# Altium PCB extio.PcbDoc (part 1 of 2)
Units mil, origin at the board's own origin, x right, y up, seen from the top; angles counter-clockwise.
Board outline 5039.37 x 4527.56 mil, 2 copper layers (Top Layer, Bottom Layer); 248 components, 157 nets, 670 pads, 315 vias.
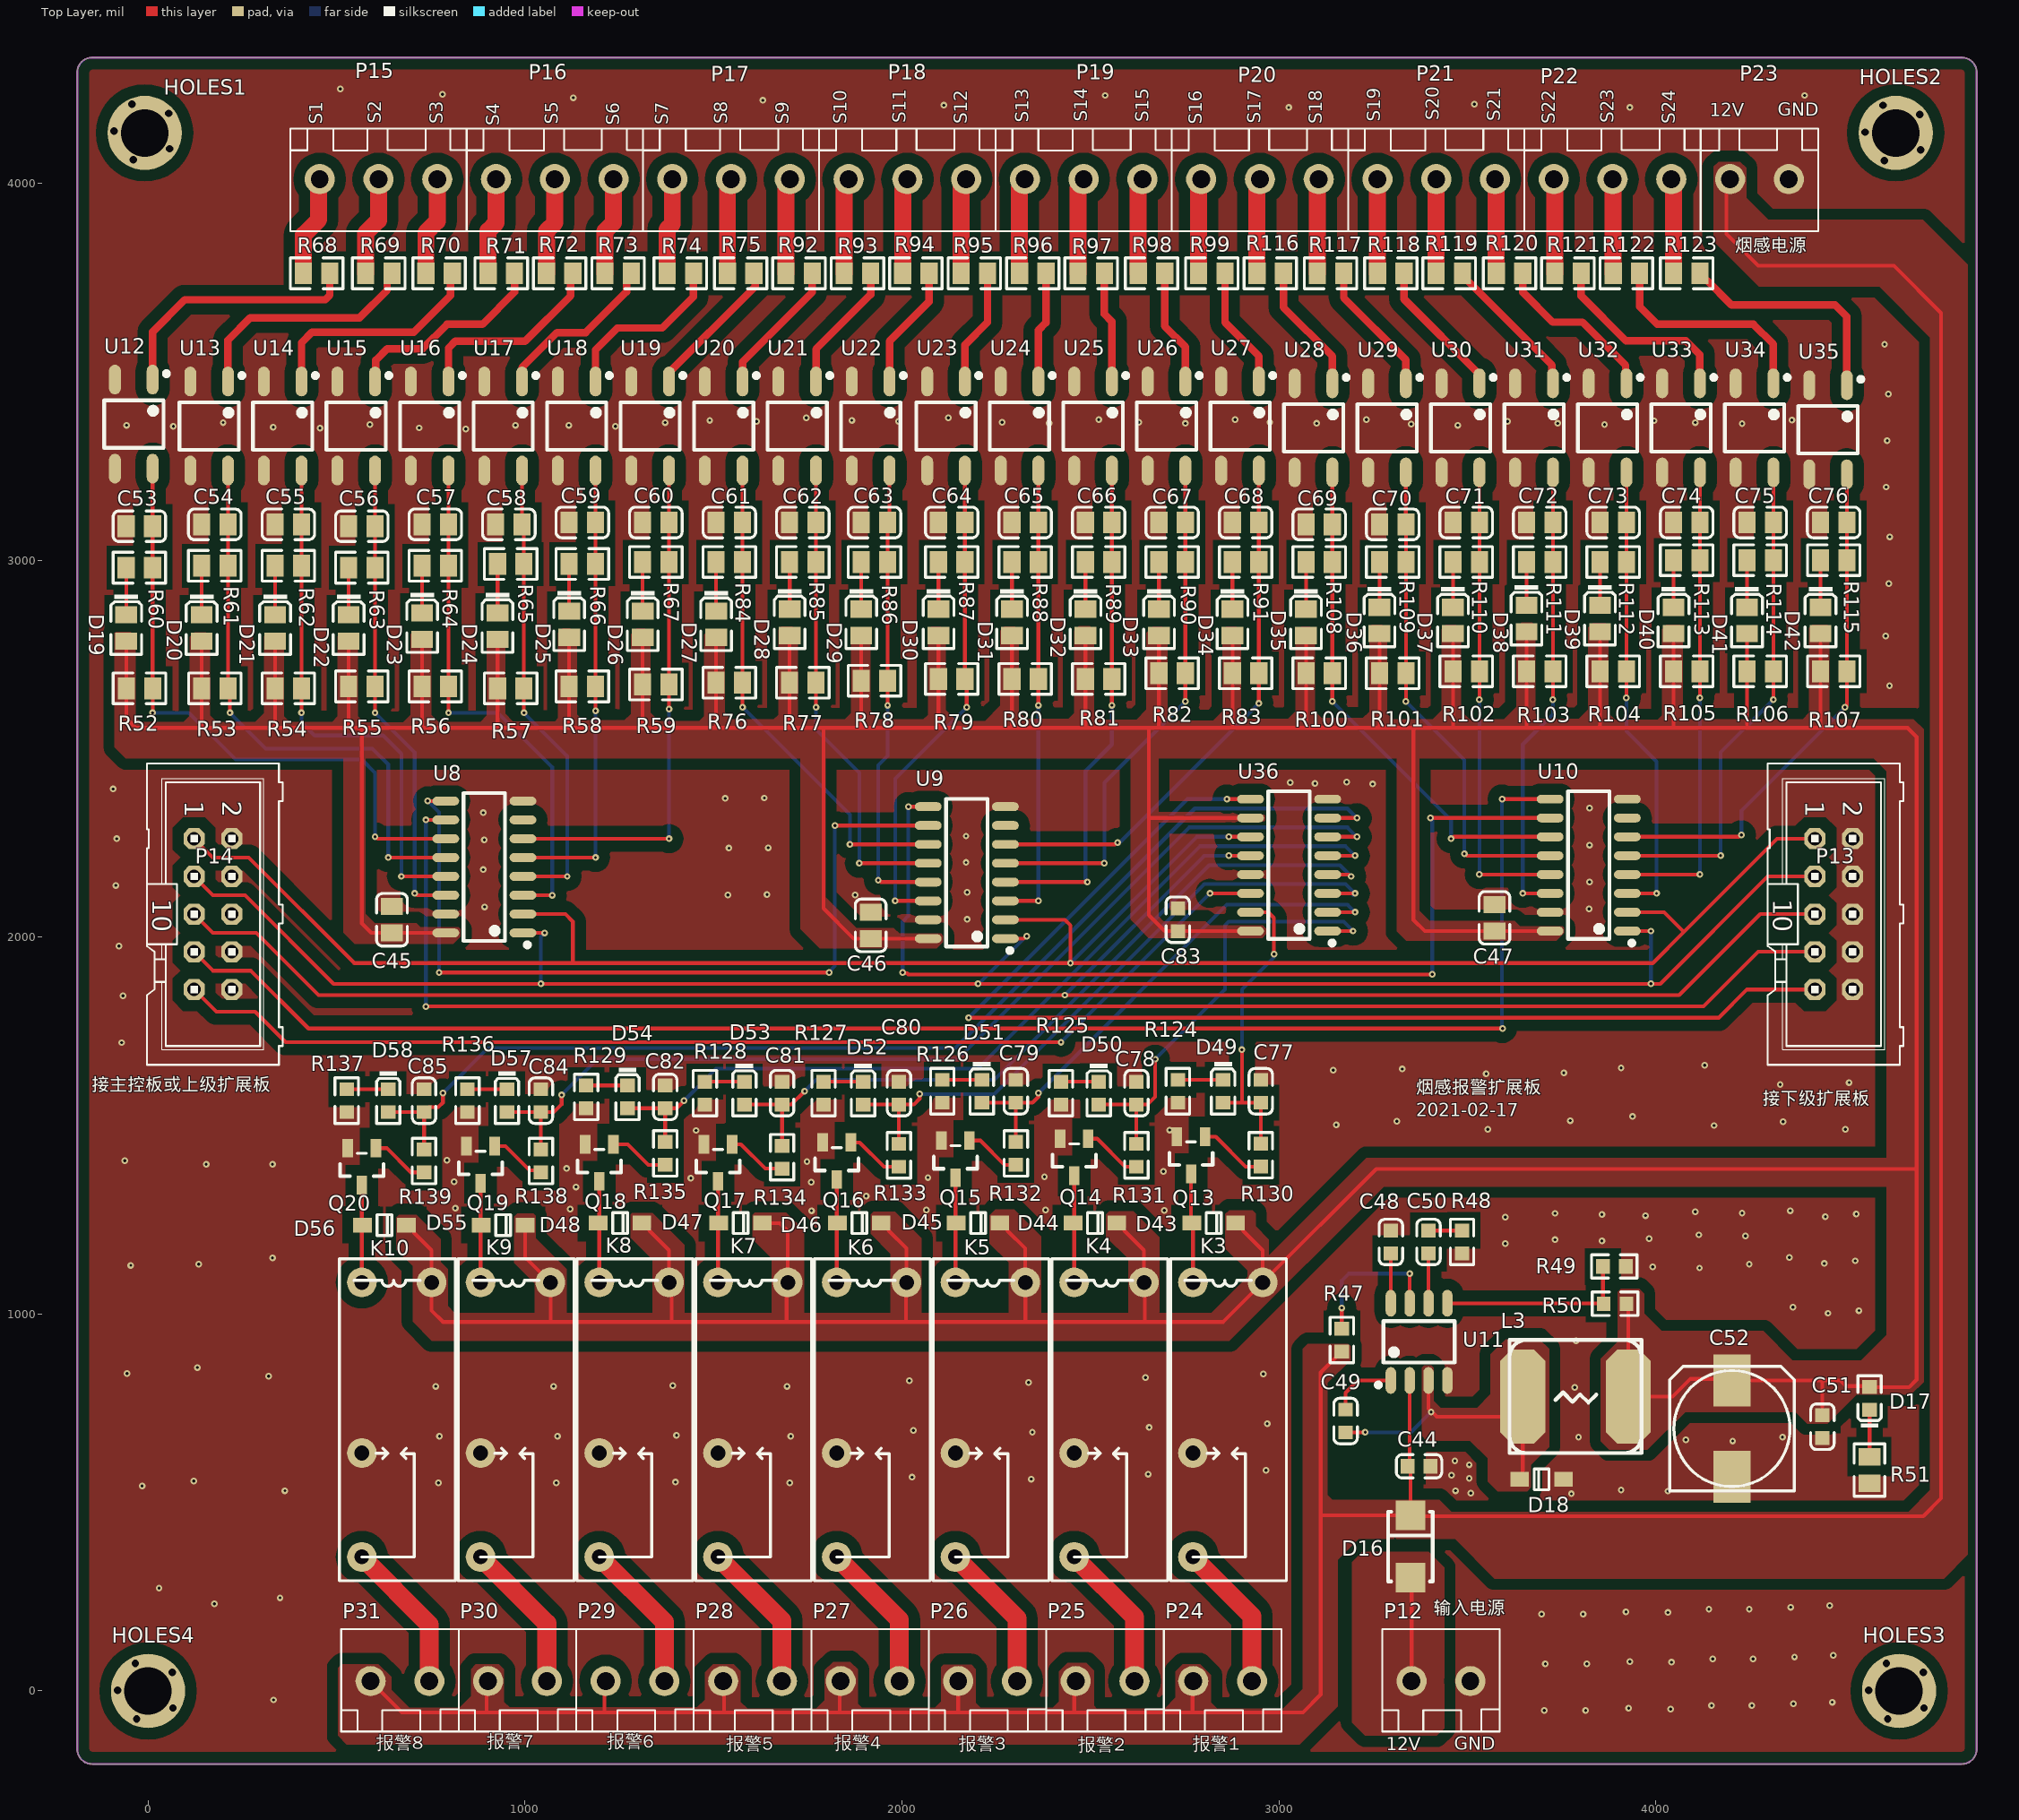
[diagram p0: Top Layer view]
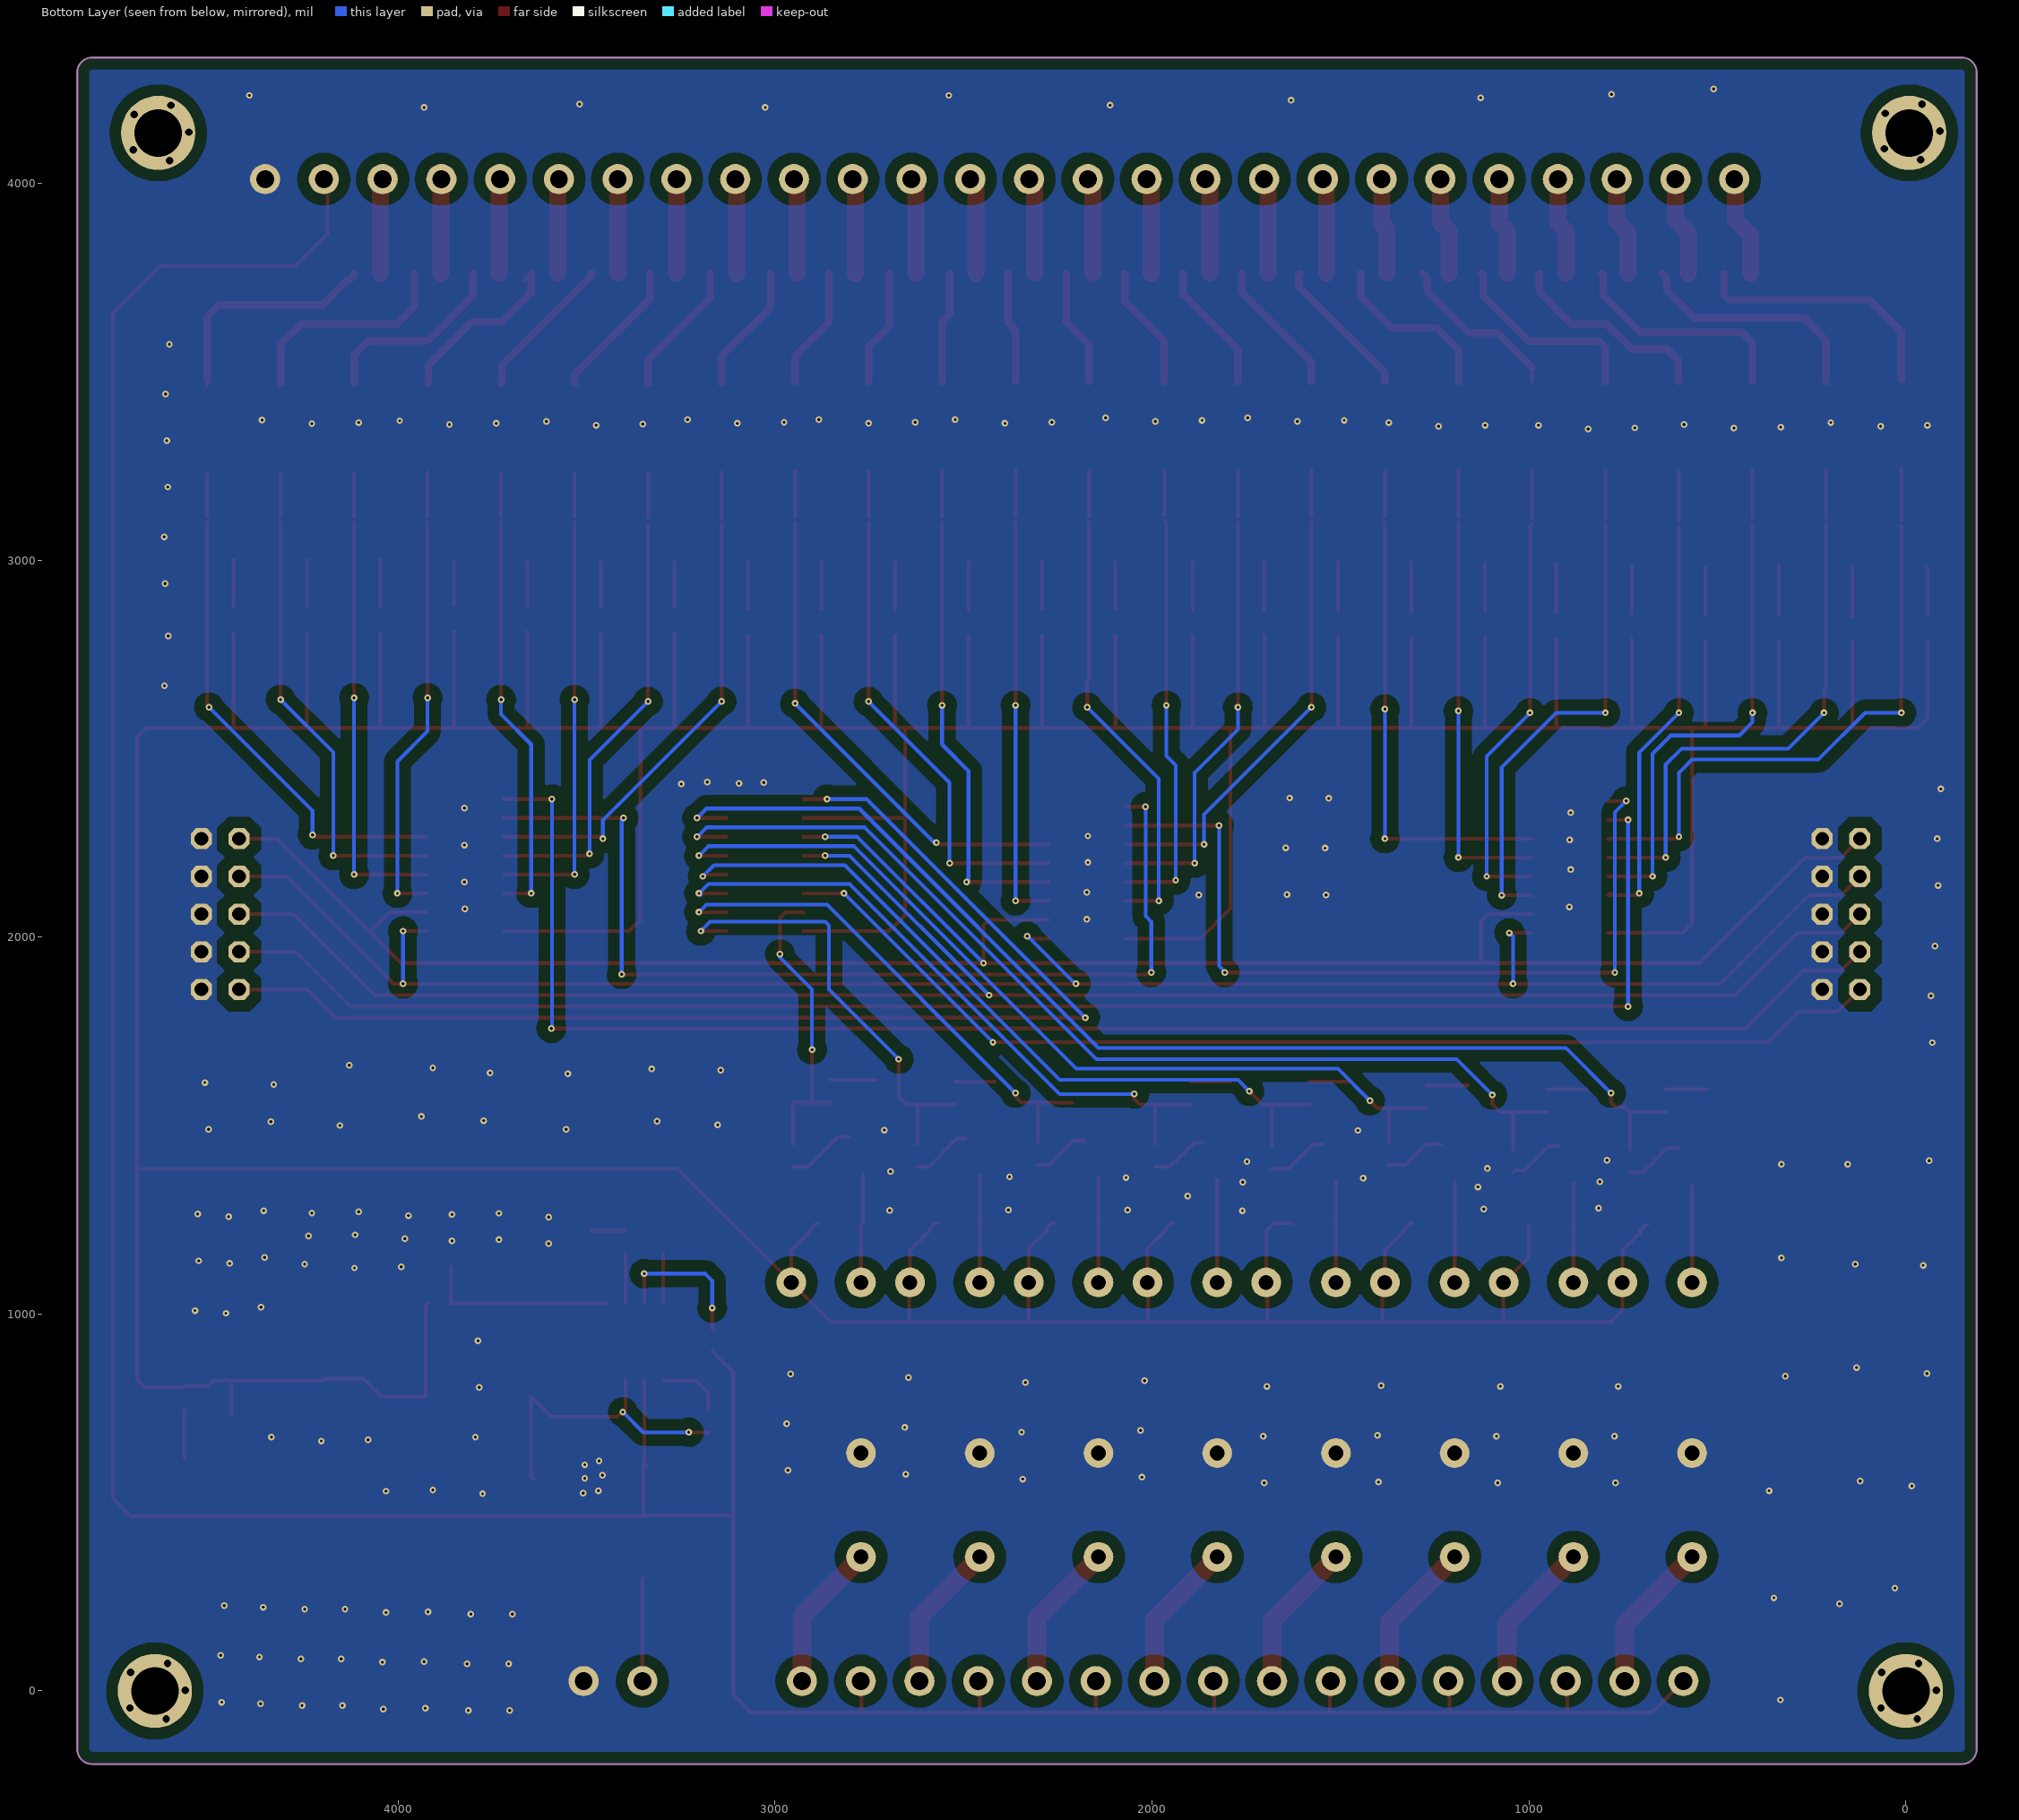
[diagram p1: Bottom Layer view, seen from below]
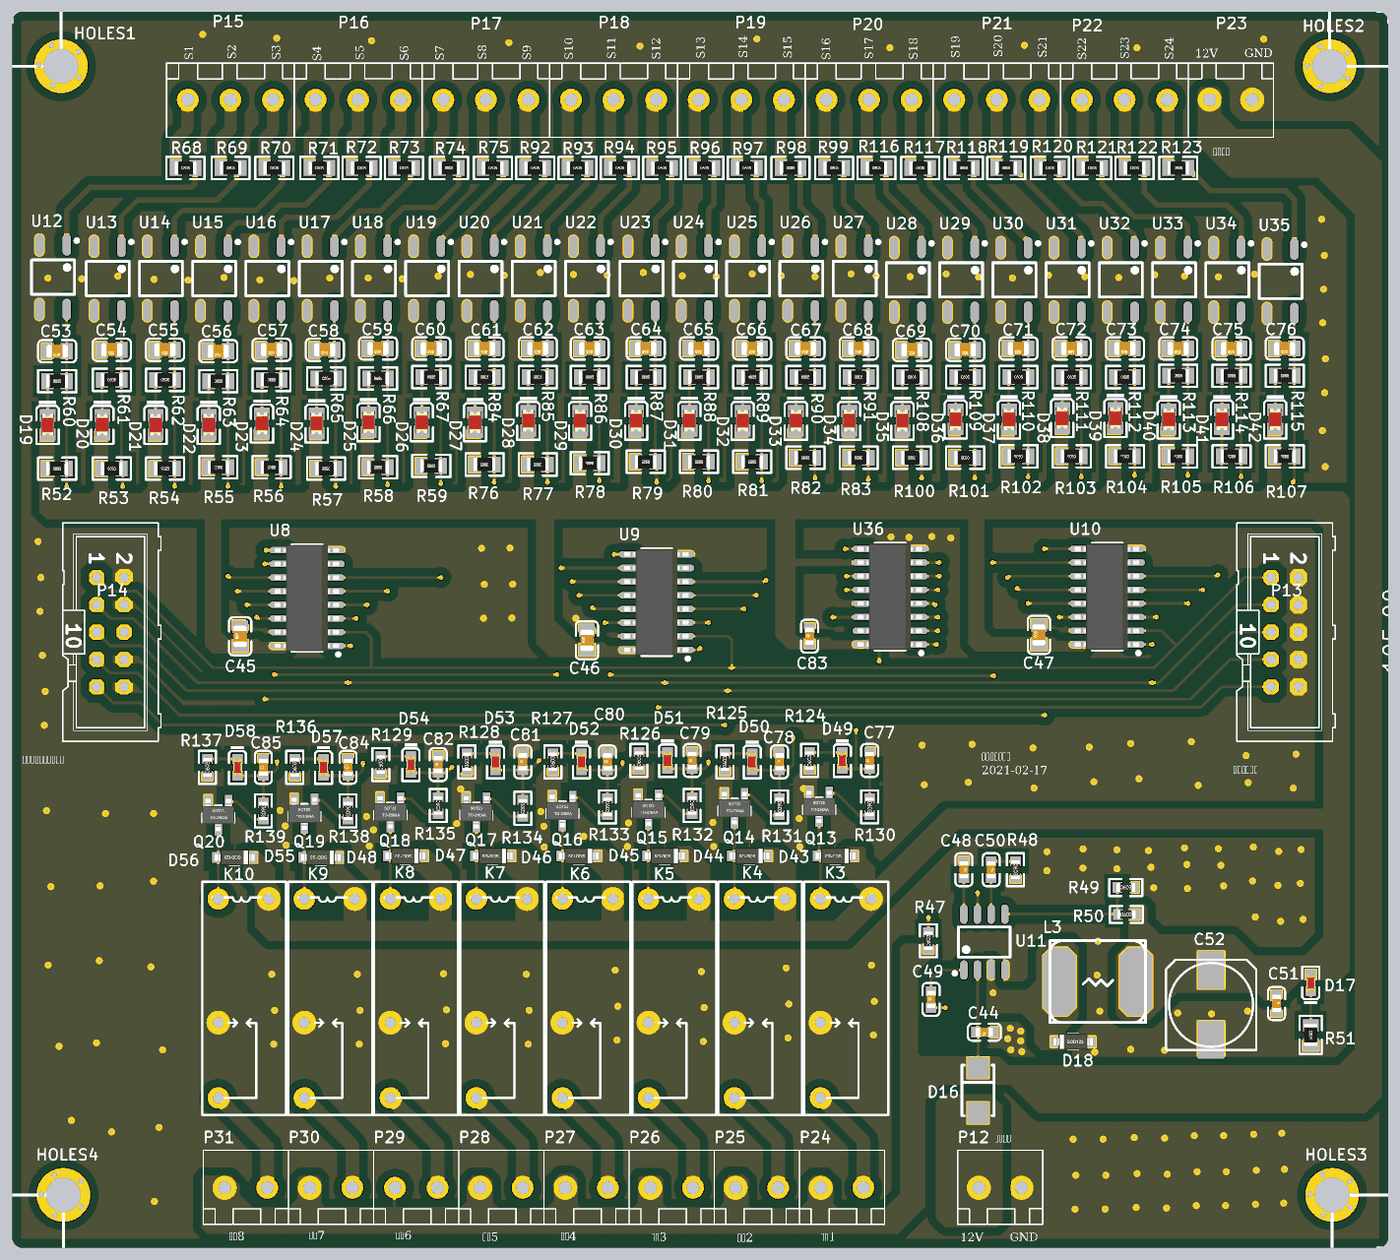
[diagram p3: 3D render of the assembled board from above, using the file's embedded part models]

## Layer stack, top to bottom
Top Solder: solder mask 0.4, Solder Resist, Dk 3.5
Top Layer: signal copper 1.4
Dielectric 1: dielectric 12.6, FR-4, Dk 4.8
Bottom Layer: signal copper 1.4
Bottom Solder: solder mask 0.4, Solder Resist, Dk 3.5

## Board outline
-187.85,-154.48 ccw(c-148.48,-154.48) -148.48,-193.85 4812.15,-193.85 ccw(c4812.15,-154.48) 4851.52,-154.48 4851.52,4294.34 ccw(c4812.15,4294.34) 4812.15,4333.71 -148.48,4333.71 ccw(c-148.48,4294.34) -187.85,4294.34

## Design rules (kind name [scope] priority, off if disabled: settings)
Clearance [All] p1: gap=30 ignorepadtopadclearanceinfootprint=FALSE
PlaneConnect [All] p1: planeconnectstyle=Direct reliefexpansion=20 reliefentries=4 reliefconductorwidth=10 reliefairgap=10
PolygonConnect [All] p1: connectstyle=Direct reliefconductorwidth=10 reliefentries=4 polygonreliefangle="90 Angle" airgapwidth=10
RoutingVias [All] p1: holewidth=28 width=50 viastyle="Through Hole" minholewidth=7.87 minwidth=17.72 maxholewidth=28 maxwidth=50
SolderMaskExpansion [All] p1: expansion=4 istentingtop=FALSE
Width [All] p1: maxlimit=100 minlimit=10 preferedwidth=10
29 further rules are at their usual default settings.

## Components (designator, comment, footprint, x,y, rotation, side; value= is the part's Value field where it differs from the comment)
C44 "100nF (104) 10% 50V" 0603_C 3372.15,596.15 r180 top
C45 "100nF(104) 10% 50V" 0805_C 647.15,2046.15 r90 top
C46 "100nF(104) 10% 50V" 0805_C 1917.15,2031.15 r90 top
C47 "100nF(104) 10% 50V" 0805_C 3572.15,2051.15 r90 top
C48 "100nF (104) 10% 50V" 0603_C 3297.15,1191.15 r270 top
C49 "10nF (103) 10% 50V" 0603_C 3177.15,716.15 r90 top
C50 "3.3nF (332) 10% 50V" 0603_C 3397.15,1191.15 r270 top
C51 "100nF (104) 10% 50V" 0603_C 4442.15,701.15 r270 top
C52 "470uF/16V" 153CLV-0810 4202.15,696.15 r90 top
C53 "100nF(104) 10% 50V" 0805_C -22.89,3090.15 r180 top
C54 "100nF(104) 10% 50V" 0805_C 177.11,3095.15 r180 top
C55 "100nF(104) 10% 50V" 0805_C 372.11,3095.15 r180 top
C56 "100nF(104) 10% 50V" 0805_C 567.15,3090.15 r180 top
C57 "100nF(104) 10% 50V" 0805_C 762.15,3095.15 r180 top
C58 "100nF(104) 10% 50V" 0805_C 957.19,3095.15 r180 top
C59 "100nF(104) 10% 50V" 0805_C 1152.11,3100.15 r180 top
C60 "100nF(104) 10% 50V" 0805_C 1347.15,3100.15 r180 top
C61 "100nF(104) 10% 50V" 0805_C 1542.19,3100.15 r180 top
C62 "100nF(104) 10% 50V" 0805_C 1737.11,3100.15 r180 top
C63 "100nF(104) 10% 50V" 0805_C 1927.15,3100.15 r180 top
C64 "100nF(104) 10% 50V" 0805_C 2132.15,3100.15 r180 top
C65 "100nF(104) 10% 50V" 0805_C 2327.15,3100.15 r180 top
C66 "100nF(104) 10% 50V" 0805_C 2522.11,3100.15 r180 top
C67 "100nF(104) 10% 50V" 0805_C 2717.15,3100.15 r180 top
C68 "100nF(104) 10% 50V" 0805_C 2912.15,3100.15 r180 top
C69 "100nF(104) 10% 50V" 0805_C 3107.15,3095.15 r180 top
C70 "100nF(104) 10% 50V" 0805_C 3302.15,3095.15 r180 top
C71 "100nF(104) 10% 50V" 0805_C 3497.11,3100.15 r180 top
C72 "100nF(104) 10% 50V" 0805_C 3692.15,3100.15 r180 top
C73 "100nF(104) 10% 50V" 0805_C 3887.15,3100.15 r180 top
C74 "100nF(104) 10% 50V" 0805_C 4082.15,3100.15 r180 top
C75 "100nF(104) 10% 50V" 0805_C 4277.15,3100.15 r180 top
C76 "100nF(104) 10% 50V" 0805_C 4472.11,3100.15 r180 top
C77 "10nF (103) 10% 50V" 0603_C 2952.15,1591.15 r90 top
C78 "10nF (103) 10% 50V" 0603_C 2622.15,1586.15 r90 top
C79 "10nF (103) 10% 50V" 0603_C 2302.15,1591.15 r90 top
C80 "10nF (103) 10% 50V" 0603_C 1992.15,1586.15 r90 top
C81 "10nF (103) 10% 50V" 0603_C 1682.15,1586.15 r90 top
C82 "10nF (103) 10% 50V" 0603_C 1372.15,1576.15 r90 top
C83 "10nF (103) 10% 50V" 0603_C 2732.15,2046.15 r90 top
C84 "10nF (103) 10% 50V" 0603_C 1042.15,1566.15 r90 top
C85 "10nF (103) 10% 50V" 0603_C 732.15,1566.15 r90 top
D16 "M7" SMA(DO-214AC)_S1 3349.15,383.15 r270 top
D17 "红灯 0603" 0603_LED_S1 4567.15,776.15 r90 top
D18 "B5819W  SL" SOD-123 3697.15,561.15 r0 top
D19 "红灯 0805" 0805_LED_S1 -57.85,2820.11 r270 top
D20 "红灯 0805" 0805_LED_S1 142.15,2820.15 r270 top
D21 "红灯 0805" 0805_LED_S1 337.15,2820.11 r270 top
D22 "红灯 0805" 0805_LED_S1 532.15,2820.11 r270 top
D23 "红灯 0805" 0805_LED_S1 727.15,2825.11 r270 top
D24 "红灯 0805" 0805_LED_S1 927.15,2825.15 r270 top
D25 "红灯 0805" 0805_LED_S1 1117.15,2830.15 r270 top
D26 "红灯 0805" 0805_LED_S1 1312.15,2830.15 r270 top
D27 "红灯 0805" 0805_LED_S1 1507.15,2830.15 r270 top
D28 "红灯 0805" 0805_LED_S1 1702.15,2835.11 r270 top
D29 "红灯 0805" 0805_LED_S1 1892.15,2835.15 r270 top
D30 "红灯 0805" 0805_LED_S1 2097.15,2835.11 r270 top
D31 "红灯 0805" 0805_LED_S1 2292.15,2835.15 r270 top
D32 "红灯 0805" 0805_LED_S1 2487.15,2835.15 r270 top
D33 "红灯 0805" 0805_LED_S1 2682.15,2835.15 r270 top
D34 "红灯 0805" 0805_LED_S1 2877.15,2835.15 r270 top
D35 "红灯 0805" 0805_LED_S1 3072.15,2835.15 r270 top
D36 "红灯 0805" 0805_LED_S1 3267.15,2840.15 r270 top
D37 "红灯 0805" 0805_LED_S1 3462.15,2840.15 r270 top
D38 "红灯 0805" 0805_LED_S1 3657.15,2845.15 r270 top
D39 "红灯 0805" 0805_LED_S1 3852.15,2845.15 r270 top
D40 "红灯 0805" 0805_LED_S1 4047.15,2840.15 r270 top
D41 "红灯 0805" 0805_LED_S1 4242.15,2840.15 r270 top
D42 "红灯 0805" 0805_LED_S1 4437.15,2840.15 r270 top
D43 "B5819W  SL" SOD-123 2827.15,1241.15 r180 top
D44 "B5819W  SL" SOD-123 2512.15,1241.15 r180 top
D45 "B5819W  SL" SOD-123 2202.15,1241.15 r180 top
D46 "B5819W  SL" SOD-123 1887.15,1241.15 r180 top
D47 "B5819W  SL" SOD-123 1572.15,1241.15 r180 top
D48 "B5819W  SL" SOD-123 1252.15,1241.15 r180 top
D49 "红灯 0603" 0603_LED_S1 2852.15,1591.15 r270 top
D50 "红灯 0603" 0603_LED_S1 2522.15,1586.15 r270 top
D51 "红灯 0603" 0603_LED_S1 2212.15,1591.15 r270 top
D52 "红灯 0603" 0603_LED_S1 1897.15,1586.15 r270 top
D53 "红灯 0603" 0603_LED_S1 1582.15,1586.15 r270 top
D54 "红灯 0603" 0603_LED_S1 1272.15,1576.15 r270 top
D55 "B5819W  SL" SOD-123 942.15,1236.15 r180 top
D56 "B5819W  SL" SOD-123 627.15,1236.15 r180 top
D57 "红灯 0603" 0603_LED_S1 952.15,1566.15 r270 top
D58 "红灯 0603" 0603_LED_S1 637.15,1566.15 r270 top
HOLES1 "HOLES" HOLES#1 0,4139.86 r90 top
HOLES2 "HOLES" HOLES#2 4645.67,4136.86 r90 top
HOLES3 "HOLES" HOLES#2 4654.67,3 r90 top
HOLES4 "HOLES" HOLES#2 9,3 r90 top
K3 "G5NB-1A-E" G5NB-1A 2772.15,1083.91 r270 top
K4 "G5NB-1A-E" G5NB-1A 2457.15,1083.91 r270 top
K5 "G5NB-1A-E" G5NB-1A 2142.15,1083.91 r270 top
K6 "G5NB-1A-E" G5NB-1A 1827.15,1083.91 r270 top
K7 "G5NB-1A-E" G5NB-1A 1512.15,1083.91 r270 top
K8 "G5NB-1A-E" G5NB-1A 1197.15,1083.91 r270 top
K9 "G5NB-1A-E" G5NB-1A 882.15,1083.91 r270 top
K10 "G5NB-1A-E" G5NB-1A 567.15,1083.91 r270 top
L3 "PSSL0804T-220M" L7-8 3787.15,781.15 r0 top
P12 "Header 2" KF396-2P 3352.15,26.15 r0 top
P13 "Header 5X2" ML10 4472.15,2061.15 r270 top
P14 "Header 5X2" ML10 172.15,2061.15 r270 top
P15 "Header 3" KF396-3P 767.27,4011.15 r180 top
P16 "Header 3" KF396-3P 1234.98,4011.15 r180 top
P17 "Header 3" KF396-3P 1702.7,4011.15 r180 top
P18 "Header 3" KF396-3P 2170.42,4011.15 r180 top
P19 "Header 3" KF396-3P 2638.13,4011.15 r180 top
P20 "Header 3" KF396-3P 3105.85,4011.15 r180 top
P21 "Header 3" KF396-3P 3573.57,4011.15 r180 top
P22 "Header 3" KF396-3P 4041.28,4011.15 r180 top
P23 "Header 2" KF396-2P 4353.09,4011.15 r180 top
P24 "Header 2" KF396-2P 2773.02,26.15 r0 top
P25 "Header 2" KF396-2P 2461.2,26.15 r0 top
P26 "Header 2" KF396-2P 2149.39,26.15 r0 top
P27 "Header 2" KF396-2P 1837.58,26.15 r0 top
P28 "Header 2" KF396-2P 1525.77,26.15 r0 top
P29 "Header 2" KF396-2P 1213.96,26.15 r0 top
P30 "Header 2" KF396-2P 902.15,26.15 r0 top
P31 "Header 2" KF396-2P 590.34,26.15 r0 top
Q13 "SS8050 Y1" SOT-23(SOT-23-3) 2767.15,1421.15 r90 top
Q14 "SS8050 Y1" SOT-23(SOT-23-3) 2457.15,1416.15 r90 top
Q15 "SS8050 Y1" SOT-23(SOT-23-3) 2142.15,1411.15 r90 top
Q16 "SS8050 Y1" SOT-23(SOT-23-3) 1827.15,1406.15 r90 top
Q17 "SS8050 Y1" SOT-23(SOT-23-3) 1512.15,1401.15 r90 top
Q18 "SS8050 Y1" SOT-23(SOT-23-3) 1197.15,1401.15 r90 top
Q19 "SS8050 Y1" SOT-23(SOT-23-3) 882.15,1396.15 r90 top
Q20 "SS8050 Y1" SOT-23(SOT-23-3) 567.15,1391.15 r90 top
R47 "100KΩ (1003) ±1%" 0603_R 3167.15,931.15 r90 top
R48 "5.6KΩ (5601) ±1%" 0603_R 3486.15,1191.15 r270 top
R49 "33KΩ (3302) ±1%" 0603_R 3890.15,1126.15 r0 top
R50 "150KΩ (1503) ±1%" 0603_R 3892.15,1027.15 r0 top
R51 "5.1KΩ (5101) ±1%" 0805_R 4567.15,586.15 r270 top
R52 "10KΩ (1002) ±1%" 0805_R -22.81,2660.15 r180 top
R53 "10KΩ (1002) ±1%" 0805_R 177.15,2660.15 r180 top
R54 "10KΩ (1002) ±1%" 0805_R 372.15,2660.15 r180 top
R55 "10KΩ (1002) ±1%" 0805_R 567.15,2665.15 r180 top
R56 "10KΩ (1002) ±1%" 0805_R 762.15,2665.15 r180 top
R57 "10KΩ (1002) ±1%" 0805_R 962.11,2660.15 r180 top
R58 "10KΩ (1002) ±1%" 0805_R 1152.15,2665.15 r180 top
R59 "10KΩ (1002) ±1%" 0805_R 1347.15,2670.15 r180 top
R60 "5.1KΩ (5101) ±1%" 0805_R -22.89,2980.15 r0 top
R61 "5.1KΩ (5101) ±1%" 0805_R 177.11,2985.15 r0 top
R62 "5.1KΩ (5101) ±1%" 0805_R 372.11,2985.15 r0 top
R63 "5.1KΩ (5101) ±1%" 0805_R 567.11,2980.15 r0 top
R64 "5.1KΩ (5101) ±1%" 0805_R 762.11,2985.15 r0 top
R65 "5.1KΩ (5101) ±1%" 0805_R 962.15,2990.15 r0 top
R66 "5.1KΩ (5101) ±1%" 0805_R 1152.11,2990.15 r0 top
R67 "5.1KΩ (5101) ±1%" 0805_R 1347.15,2995.15 r0 top
R68 "1KΩ (1001) ±1%" 0805_R 447.15,3761.15 r0 top
R69 "1KΩ (1001) ±1%" 0805_R 612.15,3761.15 r0 top
R70 "1KΩ (1001) ±1%" 0805_R 772.15,3761.15 r0 top
R71 "1KΩ (1001) ±1%" 0805_R 937.15,3761.15 r0 top
R72 "1KΩ (1001) ±1%" 0805_R 1092.15,3761.15 r0 top
R73 "1KΩ (1001) ±1%" 0805_R 1247.15,3761.15 r0 top
R74 "1KΩ (1001) ±1%" 0805_R 1412.15,3761.15 r0 top
R75 "1KΩ (1001) ±1%" 0805_R 1572.15,3761.15 r0 top
R76 "10KΩ (1002) ±1%" 0805_R 1542.15,2675.15 r180 top
R77 "10KΩ (1002) ±1%" 0805_R 1737.15,2675.15 r180 top
R78 "10KΩ (1002) ±1%" 0805_R 1927.15,2680.15 r180 top
R79 "10KΩ (1002) ±1%" 0805_R 2132.15,2685.15 r180 top
R80 "10KΩ (1002) ±1%" 0805_R 2327.15,2685.15 r180 top